# Altium PCB Zenit Stand PCB_3.PcbDoc (part 1 of 2)
Units mm, origin at the board's own origin, x right, y up, seen from the top; angles counter-clockwise.
Board outline 134.2 x 91.97 mm, 2 copper layers (Top Layer, Bottom Layer); 137 components, 111 nets, 457 pads, 78 vias.
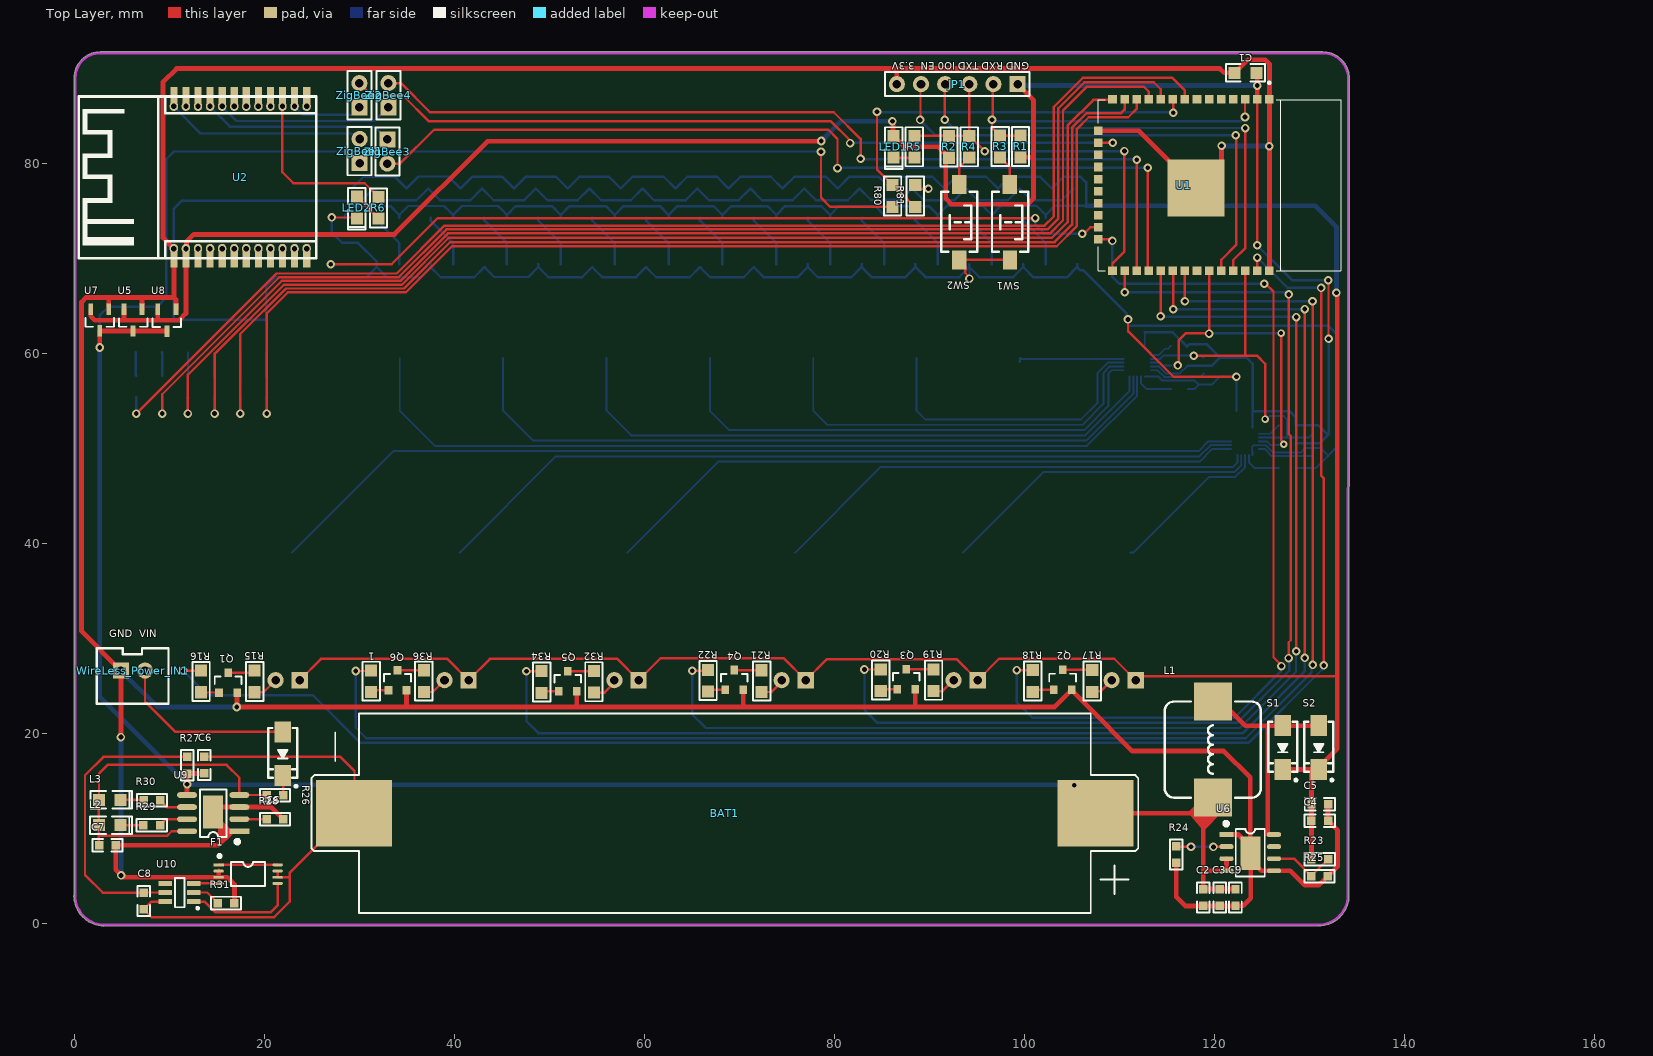
[diagram p0: Top Layer view]
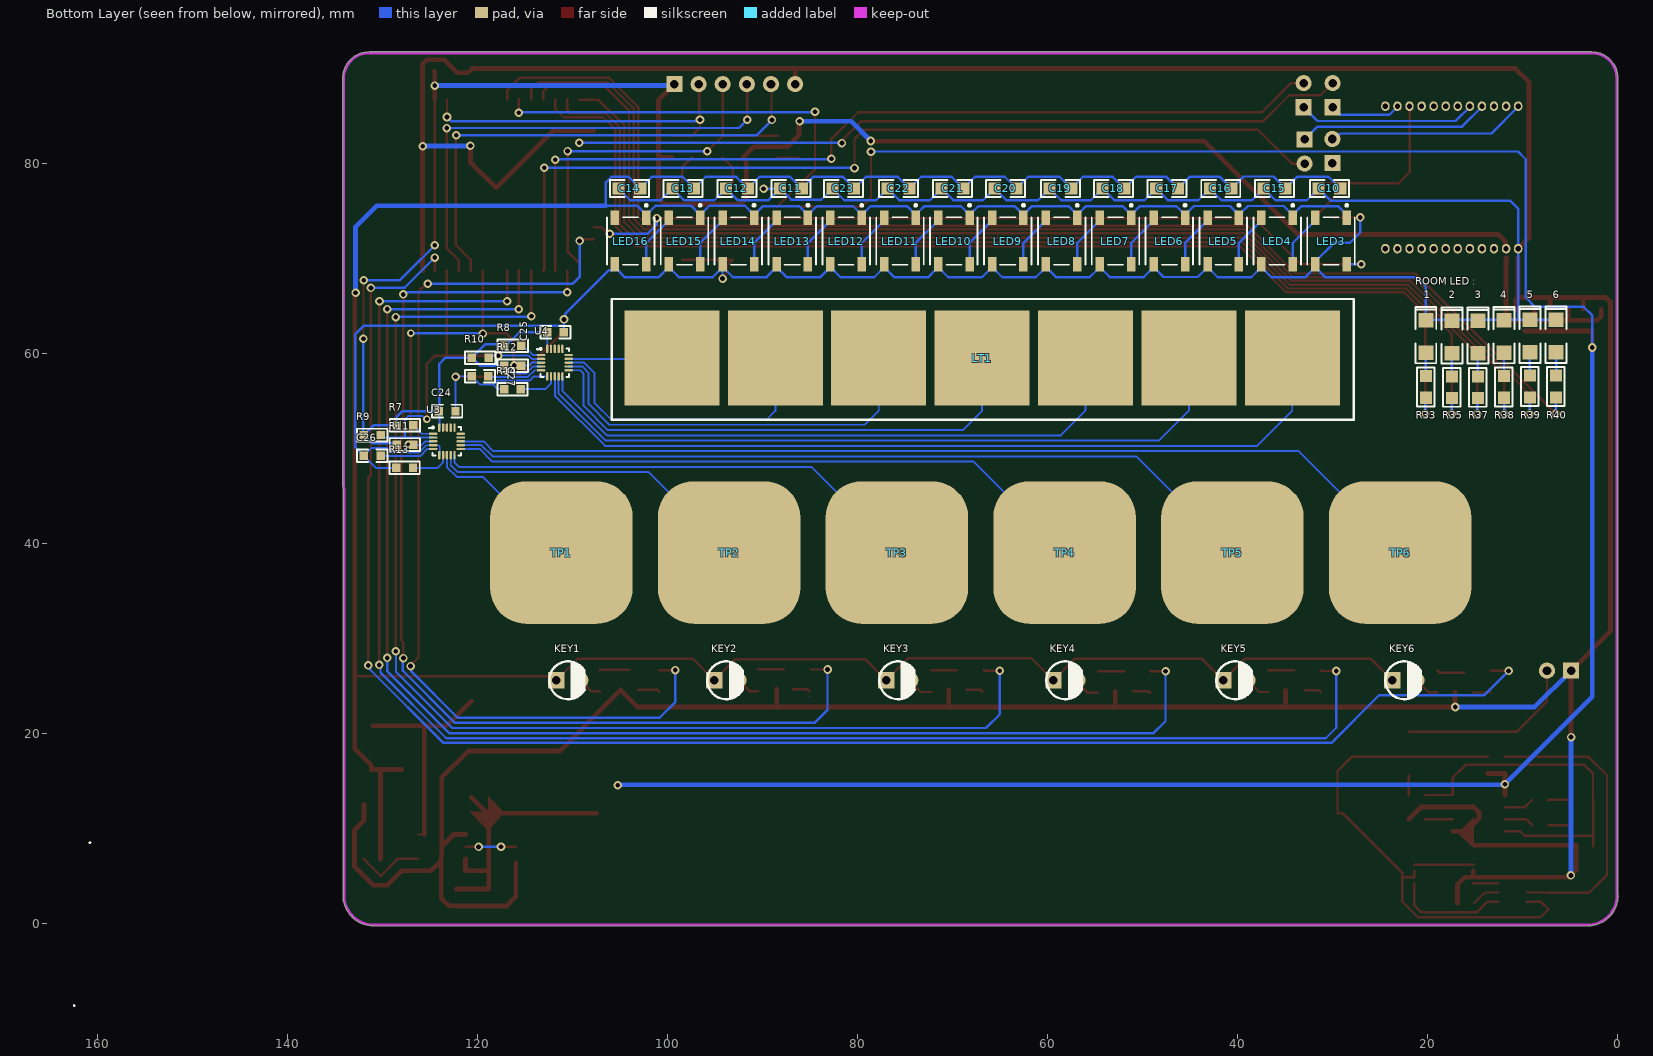
[diagram p1: Bottom Layer view, seen from below]

## Layer stack, top to bottom
Top Solder: solder mask 0.0102, Solder Resist, Dk 3.5
Top Layer: signal copper 0.0356
Dielectric 1: dielectric 0.32, FR-4, Dk 4.8
Bottom Layer: signal copper 0.0356
Bottom Solder: solder mask 0.0102, Solder Resist, Dk 3.5

## Board outline
-0.032,2.971 cw(c0.095,2.972) -0.012,3.041 0,89.018 cw(c0.121,89.059) -0.007,89.06 cw(c2.708,89.036) 2.731,91.752 cw(c2.7,88.104) 2.732,91.752 2.731,91.752 131.388,91.752 cw(c131.388,88.971) 134.168,88.971 134.119,3.018 cw(c133.998,2.978) 134.125,2.978 cw(c130.946,2.981) 130.943,-0.197 cw(c130.943,-0.07) 130.934,-0.197 cw(c130.924,-0.07) 130.924,-0.197 3.118,-0.218 cw(c3.118,-0.091) 3.07,-0.209 cw(c3.165,2.988)

## Design rules (kind name [scope] priority, off if disabled: settings)
Clearance SHIELD [InNamedPolygon('SHIELD-OUT_L01_P000')] p1: gap=0.508 ignorepadtopadclearanceinfootprint=FALSE
Clearance [All] p2: gap=0.127 ignorepadtopadclearanceinfootprint=FALSE
PolygonConnect PolygonConnect_6 [All vs IsNamedPolygon('NONET_L-01_P-001')] p1: connectstyle=Direct reliefconductorwidth=0.254 reliefentries=4 polygonreliefangle="90 Angle" airgapwidth=0.254
PolygonConnect PolygonConnect_5 [All vs IsNamedPolygon('NONET_L-01_P-001')] p2: connectstyle=Direct reliefconductorwidth=0.254 reliefentries=4 polygonreliefangle="90 Angle" airgapwidth=0.254
PolygonConnect PolygonConnect_4 [All vs IsNamedPolygon('GND_L01_P002')] p3: connectstyle=Direct reliefconductorwidth=0.254 reliefentries=4 polygonreliefangle="90 Angle" airgapwidth=0.254
PolygonConnect PolygonConnect_3 [All vs IsNamedPolygon('NONET_L02_P003')] p4: thpad.connectstyle=Direct thpad.reliefconductorwidth=0.254 thpad.reliefentries=4 thpad.polygonreliefangle="90 Angle" thpad.airgapwidth=0.254 smdpad.connectstyle=Direct smdpad.reliefconductorwidth=0.254 smdpad.reliefentries=4 smdpad.polygonreliefangle="90 Angle" smdpad.airgapwidth=0.254 via.connectstyle=Relief via.reliefconductorwidth=0.254 via.reliefentries=4 via.polygonreliefangle="90 Angle" via.airgapwidth=0.254
PolygonConnect PolygonConnect_2 [All vs IsNamedPolygon('NONET_L01_P002')] p5: thpad.connectstyle=Direct thpad.reliefconductorwidth=0.254 thpad.reliefentries=4 thpad.polygonreliefangle="90 Angle" thpad.airgapwidth=0.254 smdpad.connectstyle=Direct smdpad.reliefconductorwidth=0.254 smdpad.reliefentries=4 smdpad.polygonreliefangle="90 Angle" smdpad.airgapwidth=0.254 via.connectstyle=Relief via.reliefconductorwidth=0.254 via.reliefentries=4 via.polygonreliefangle="90 Angle" via.airgapwidth=0.254
PolygonConnect PolygonConnect_1 [All vs IsNamedPolygon('SHIELD-OUT_L01_P000')] p6: thpad.connectstyle=Direct thpad.reliefconductorwidth=0.254 thpad.reliefentries=4 thpad.polygonreliefangle="90 Angle" thpad.airgapwidth=0.254 smdpad.connectstyle=Direct smdpad.reliefconductorwidth=0.254 smdpad.reliefentries=4 smdpad.polygonreliefangle="90 Angle" smdpad.airgapwidth=0.254 via.connectstyle=Relief via.reliefconductorwidth=0.254 via.reliefentries=4 via.polygonreliefangle="90 Angle" via.airgapwidth=0.254
PolygonConnect [All] p7: connectstyle=Relief reliefconductorwidth=0.254 reliefentries=4 polygonreliefangle="90 Angle" airgapwidth=0.254
RoomDefinition WS2812 [InComponentClass('WS2812')] p1 off: confinementstyle=ConfineIn formatcopy=TRUE lockcomponents=FALSE outline 223.025,3.797 253.886,3.797 253.886,80.867 223.025,80.867
RoomDefinition ESP32 [InComponentClass('ESP32')] p2 off: confinementstyle=ConfineIn formatcopy=TRUE lockcomponents=FALSE outline 139.973,51.772 217.875,51.772 217.875,81.109 139.973,81.109
RoomDefinition ZigbeeM0 [InComponentClass('ZigbeeM0')] p3 off: confinementstyle=ConfineIn formatcopy=TRUE lockcomponents=FALSE outline 140.259,1.956 191.059,1.956 191.059,27.356 140.259,27.356
RoomDefinition "Vemos Battry Shield" [InComponentClass('Vemos Battry Shield')] p4 off: confinementstyle=ConfineIn formatcopy=TRUE lockcomponents=FALSE outline 196.367,3.518 221.901,3.518 221.901,36.341 196.367,36.341
RoomDefinition MPR121 [InComponentClass('MPR121')] p5 off: confinementstyle=ConfineIn formatcopy=TRUE lockcomponents=FALSE outline 140.252,28.702 192.361,28.702 192.361,51.492 140.252,51.492
RoomDefinition Main [InComponentClass('Main')] p6 off: confinementstyle=ConfineIn formatcopy=TRUE lockcomponents=FALSE outline 194.678,38.951 221.342,38.951 221.342,49.809 194.678,49.809
RoutingVias [All] p1: holewidth=0.5 width=0.9 viastyle="Through Hole" minholewidth=0.5 minwidth=0.9 maxholewidth=0.5 maxwidth=0.9
SolderMaskExpansion [All] p1: expansion=0.102 istentingtop=FALSE
Width [All] p1: maxlimit=2 minlimit=0.2 preferedwidth=0.254
30 further rules are at their usual default settings.

## Classes and differential pairs
component class WS2812: 1 2 3 4 5 6 C10 C15 C16 C17 C18 C19 C20 C21 C22 C23 C24 C25 C26 C27 KEY1 KEY2 KEY3 KEY4 KEY5 KEY6 LED16
component class ESP32: C1 JP1 LED1 R1 R2 R3 R4 R5 R80 R81 SW1 SW2 U1
component class ZigbeeM0: LED2 R6 U2 ZigBee1 ZigBee2 ZigBee3 ZigBee4
component class "Vemos Battry Shield": BAT1 C2 C3 C4 C5 C6 C7 C8 C9 F1 L1 L2 L3 R23 R24 R25 R26 R27 R28 R29 R30 R31 S1 S2 S3 U5 U6 U7 U8 U9 U10
component class Main: "Power IN" WireLess_Power_IN1
component class MPR121: 1 2 3 4 5 6 C24 C25 C26 C27 KEY1 KEY2 KEY3 KEY4 KEY5 KEY6 LT1 Q1 Q2 Q3 Q4 Q5 Q6 R7 R8 R9 R10 R11 R12 R13 R14 R15 R16 R17 R18 R19 R20 R21 R22 R32 R33 R34 R35 R36 R37 R38 R39 R40 ss TP1 TP2 TP3 TP4 TP5 TP6 U3 U4

## Components (designator, comment, footprint, x,y, rotation, side; value= is the part's Value field where it differs from the comment)
1 "LED-SMD" "LED 1206Y" 20.187,61.817 r90 bottom (schematic designator LED22)
1 "1K" "R 0805" 31.242,25.54 r90 top
2 "LED-SMD" "LED 1206Y" 17.446,61.779 r90 bottom (schematic designator LED23)
3 "LED-SMD" "LED 1206Y" 14.705,61.779 r90 bottom (schematic designator LED25)
4 "LED-SMD" "LED 1206Y" 11.965,61.817 r90 bottom (schematic designator LED26)
5 "LED-SMD" "LED 1206Y" 9.224,61.855 r90 bottom (schematic designator LED27)
6 "LED-SMD" "LED 1206Y" 6.483,61.855 r90 bottom (schematic designator LED28)
BAT1 "Battery 1850" "18650 SINGLE 2" 63.957,10.655 r180 top
C1 "22uF" "C 0805" 123.247,89.554 r180 top
C2 "=Value" "C 0603" 118.802,2.8 r90 top
C3 "=Value" "C 0603" 120.523,2.8 r90 top
C4 "=Value" "C 0603" 131.039,10.852 r180 top
C5 "=Value" "C 0603" 131.051,12.605 r180 top
C6 "=Value" "C 0603" 13.684,16.72 r270 top
C7 "=Value" "C 0603" 3.48,8.274 r180 top
C8 "=Value" "C 0603" 7.295,2.402 r270 top
C9 "=Value" "C 0603" 122.187,2.8 r90 top
C10 "=Value" "C 0805" 30.34,77.387 r180 bottom
C11 "=Value" "C 0805" 87.001,77.387 r180 bottom
C12 "=Value" "C 0805" 92.678,77.387 r180 bottom
C13 "=Value" "C 0805" 98.336,77.387 r180 bottom
C14 "=Value" "C 0805" 104,77.387 r180 bottom
C15 "=Value" "C 0805" 36.106,77.387 r180 bottom
C16 "=Value" "C 0805" 41.77,77.387 r180 bottom
C17 "=Value" "C 0805" 47.415,77.387 r180 bottom
C18 "=Value" "C 0805" 53.061,77.387 r180 bottom
C19 "=Value" "C 0805" 58.642,77.387 r180 bottom
C20 "=Value" "C 0805" 64.414,77.387 r180 bottom
C21 "=Value" "C 0805" 69.996,77.387 r180 bottom
C22 "=Value" "C 0805" 75.673,77.387 r180 bottom
C23 "=Value" "C 0805" 81.483,77.387 r180 bottom
C24 "0.1uF" "C 0603" 123.184,53.969 r0 bottom
C25 "0.1uF" "C 0603" 111.792,62.243 r0 bottom
C26 "0.1uF" "C 0603" 131.045,49.263 r180 bottom
C27 "0.1uF" "C 0603" 119.71,57.633 r180 bottom
F1 "FS8205A" SSOP8_L 18.288,5.242 r0 top
JP1 "HDR-1X6" HDR-1X6 99.257,88.373 r180 top
KEY1 "" "LED 3MM-B" 110.427,25.648 r180 bottom (schematic designator LED18)
KEY2 "" "LED 3MM-B" 93.79,25.648 r180 bottom (schematic designator LED19)
KEY3 "" "LED 3MM-B" 75.698,25.648 r180 bottom (schematic designator LED20)
KEY4 "" "LED 3MM-B" 58.109,25.648 r180 bottom (schematic designator LED21)
KEY5 "" "LED 3MM-B" 40.227,25.648 r180 bottom (schematic designator LED24)
KEY6 "" "LED 3MM-B" 22.447,25.648 r180 bottom (schematic designator LED17)
L1 "?uH" WHC1040 119.805,18.345 r90 top
L2 "LED-SMD" "LED 0805G" 3.727,10.395 r0 top
L3 "LED-SMD" "LED 0805R" 3.74,13.056 r0 top
LED1 "LED-SMD" "LED 0805B" 86.22,81.774 r270 top
LED2 "LED-SMD" "LED 0805B" 29.731,75.387 r270 top
LED3 "LED WS2812" "LED WS2812 (5050)" 30.169,71.862 r270 bottom
LED4 "LED WS2812" "LED WS2812 (5050)" 35.838,71.862 r270 bottom
LED5 "LED WS2812" "LED WS2812 (5050)" 41.507,71.862 r270 bottom
LED6 "LED WS2812" "LED WS2812 (5050)" 47.176,71.862 r270 bottom
LED7 "LED WS2812" "LED WS2812 (5050)" 52.845,71.862 r270 bottom
LED8 "LED WS2812" "LED WS2812 (5050)" 58.515,71.862 r270 bottom
LED9 "LED WS2812" "LED WS2812 (5050)" 64.184,71.862 r270 bottom
LED10 "LED WS2812" "LED WS2812 (5050)" 69.853,71.862 r270 bottom
LED11 "LED WS2812" "LED WS2812 (5050)" 75.522,71.862 r270 bottom
LED12 "LED WS2812" "LED WS2812 (5050)" 81.191,71.862 r270 bottom
LED13 "LED WS2812" "LED WS2812 (5050)" 86.86,71.862 r270 bottom
LED14 "LED WS2812" "LED WS2812 (5050)" 92.53,71.862 r270 bottom
LED15 "LED WS2812" "LED WS2812 (5050)" 98.199,71.862 r270 bottom
LED16 "LED WS2812" "LED WS2812 (5050)" 103.868,71.862 r270 bottom
LT1 "Linear Touch" "Linear TouchPad (7Pad)" 91.266,59.411 r180 top
Q1 "2N7002" SOT23-3 16.18,25.349 r0 top
Q2 "2N7002" SOT23-3 103.994,25.629 r0 top
Q3 "2N7002" SOT23-3 87.541,25.711 r0 top
Q4 "2N7002" SOT23-3 69.431,25.622 r0 top
Q5 "2N7002" SOT23-3 51.924,25.495 r0 top
Q6 "2N7002" SOT23-3 34.011,25.59 r0 top
R1 "10K" "R 0805" 99.568,81.807 r270 top
R2 "10K" "R 0805" 92.043,81.769 r270 top
R3 "1K" "R 0805" 97.422,81.807 r90 top
R4 "1K" "R 0805" 94.17,81.782 r90 top
R5 "1K" "R 0805" 88.398,81.782 r90 top
R6 "1K" "R 0805" 32.01,75.356 r270 top
R7 "=Value" "R 0603" 127.61,52.464 r180 bottom
R8 "=Value" "R 0603" 116.281,60.82 r0 bottom
R9 "=Value" "R 0603" 131.039,51.448 r180 bottom
R10 "=Value" "R 0603" 119.697,59.595 r0 bottom
R11 "=Value" "R 0603" 127.61,50.444 r180 bottom
R12 "=Value" "R 0603" 116.288,58.75 r0 bottom
R13 "75K" "R 0603" 127.654,47.993 r0 bottom
R14 "75K" "R 0603" 116.281,56.28 r180 bottom
R15 "2.2K" "R 0805" 18.974,25.521 r90 top
R16 "1K" "R 0805" 13.341,25.521 r90 top
R17 "2.2K" "R 0805" 107.112,25.559 r90 top
R18 "1K" "R 0805" 100.857,25.559 r90 top
R19 "2.2K" "R 0805" 90.418,25.641 r90 top
R20 "1K" "R 0805" 84.861,25.648 r90 top
R21 "LED1" "R 0805" 72.326,25.552 r90 top
R22 "=Value" "R 0805" 66.688,25.597 r90 top
R23 "72.3K" "R 0603" 131.039,6.82 r180 top
R24 "30K" "R 0603" 115.945,7.309 r90 top
R25 "10K" "R 0603" 131.026,5.036 r180 top
R26 "0.4" "R 0603" 21.095,13.538 r180 top
R27 "100" "R 0603" 11.874,16.681 r270 top
R28 "2K" "R 0603" 21.095,11.011 r180 top
R29 "1K" "R 0603" 8.141,10.395 r180 top
R30 "1K" "R 0603" 8.153,13.017 r180 top
R31 "1K" "R 0603" 15.982,2.199 r0 top
R32 "2.2K" "R 0805" 54.684,25.483 r90 top
R33 "1K" "R 0805" 20.187,56.509 r90 bottom
R34 "1K" "R 0805" 49.181,25.457 r90 top
R35 "1K" "R 0805" 17.452,56.471 r90 bottom
R36 "2.2K" "R 0805" 36.786,25.552 r90 top
R37 "1K" "R 0805" 14.718,56.471 r90 bottom
R38 "1K" "R 0805" 11.984,56.509 r90 bottom
R39 "1K" "R 0805" 9.249,56.547 r90 bottom
R40 "1K" "R 0805" 6.515,56.547 r90 bottom
R80 "10K" "R 0805" 86.1,76.6 r270 top
R81 "1K" "R 0805" 88.487,76.6 r270 top
S1 "SS24" SMA 127.152,18.561 r270 top
S2 "SS24" SMA 130.937,18.561 r270 top
S3 "SS14" SMA 21.927,17.913 r270 top
SW1 "3x6x5" "TSW SMD-3*6*2.5" 98.463,73.819 r270 top
SW2 "3x6x5" "TSW SMD-3*6*2.5" 93.129,73.819 r270 top
TP1 "TouchKey" "Square TouchKey (1.5cm)" 111.157,39.072 r0 top
TP2 "TouchKey" "Square TouchKey (1.5cm)" 93.505,39.072 r0 top
TP3 "TouchKey" "Square TouchKey (1.5cm)" 75.853,39.072 r0 top
TP4 "TouchKey" "Square TouchKey (1.5cm)" 58.202,39.072 r0 top
TP5 "TouchKey" "Square TouchKey (1.5cm)" 40.55,39.072 r0 top
TP6 "TouchKey" "Square TouchKey (1.5cm)" 22.898,39.072 r0 top
U1 "ESP32S" ESP32S 107.721,109.061 r270 top
U2 "ZG-Mxx" XBee 13.538,78.835 r90 top
U3 "MPR121" QFN-20Pin 123.196,50.781 r180 bottom
U4 "MPR121" QFN-20Pin 111.845,59.061 r180 bottom
U5 "XC6206" SOT23-3N 6.185,63.538 r180 top
U6 "FP6298" SOP8_L-EP 123.744,7.506 r0 top
U7 "XC6206" SOT23-3N 2.686,63.544 r180 top
U8 "XC6206" SOT23-3N 9.743,63.519 r180 top
U9 "TP4056" SOP8_M-EP 14.614,11.66 r180 top
U10 "WD01" SOT23-6M 11.086,3.304 r90 top
WireLess_Power_IN1 "HDR-1X2" XH2.54-2P 4.902,26.657 r0 top
ZigBee1 "HDR-1X2" HDR-1X2 30.023,80.054 r90 top
ZigBee2 "HDR-1X2" HDR-1X2 30.004,85.935 r90 top
ZigBee3 "HDR-1X2" HDR-1X2 32.95,82.55 r270 top
ZigBee4 "HDR-1X2" HDR-1X2 33.052,85.935 r90 top

## Footprints (in the part's own frame and the unit in brackets; to place one, negate y for a bottom-side part, rotate by r counter-clockwise, add the part's x,y. Pads: shape width x height; smd on the part's side, far side on the other; paste and mask are expansions set on the pad)
"18650 SINGLE 2" [mm]
  rect 8x7 smd: 1(-43.5,-1) 2(34.5,-1)
  silkscreen extent -48,-11.5 39,9.5, body extent -47.5,-11.35 38.5,9.3, height 15.01
"C 0603" [mil] "ï؟½ق¼ï؟½ï؟½ï؟½ï؟½ï؟½ئ¬ï؟½ï؟½ï؟½ï؟½"
  rect 35x35 smd: 1(-35,0) 2(34,0)
  silkscreen extent -63,-26 62,26, body extent -31,-16 31,16, height 32
"C 0805" [mil] "ï؟½ق¼ï؟½ï؟½ï؟½ï؟½ï؟½ئ¬ï؟½ï؟½ï؟½ï؟½"
  rect 50x50 smd: 1(-45,0) 2(45,0)
  silkscreen extent -81,-36 81,36, body extent -39,-24 39,24, height 20
ESP32S [mm] "ESP32S-Module"
  rect 0.9x0.9 smd: 1(22.301,18.034) 2(22.301,16.764) 3(22.301,15.494) 4(22.301,14.224) 5(22.301,12.954) 6(22.301,11.684) 7(22.301,10.414) 8(22.301,9.144) 9(22.301,7.874) 10(22.301,6.604) 11(22.301,5.334) 12(22.301,4.064) 13(22.301,2.794) 14(22.301,1.524) 15(25.601,0.034) 16(26.871,0.034) 17(28.141,0.034) 18(29.411,0.034) 19(30.681,0.034) 20(31.951,0.034) 21(33.221,0.034) 22(34.491,0.034) 23(35.761,0.034) 24(37.031,0.034) 25(40.335,1.524) 26(40.335,2.794) 27(40.335,4.064) 28(40.335,5.334) 29(40.335,6.604) 30(40.335,7.874) 31(40.335,9.144) 32(40.335,10.414) 33(40.335,11.684) 34(40.335,12.954) 35(40.335,14.224) 36(40.335,15.494) 37(40.335,16.764) 38(40.335,18.034)
  rect 6x6 smd: 39(31.601,10.3)
  silkscreen extent 20.44,0.03 40.32,25.53, body extent 22.31,0.02 40.31,25.52, height 2.84
HDR-1X2 [mm] "إإصë£¬2½إ"
  rect 1.7x1.7 hole 0.9: 1(0,0)
  round 1.7 hole 0.9: 2(2.54,0)
  silkscreen extent -1.27,-1.27 3.81,1.27, body extent -1.27,-1.27 3.81,1.27, height 8.5
HDR-1X6 [mm] "ï؟½ï؟½ï؟½ë£¬6ï؟½ï؟½"
  rect 1.7x1.7 hole 0.9: 1(0,0)
  round 1.7 hole 0.9: 2(2.54,0) 3(5.08,0) 4(7.62,0) 5(10.16,0) 6(12.7,0)
  silkscreen extent -1.27,-1.27 13.97,1.27, body extent -1.27,-1.27 13.97,1.27, height 8.5
"LED 3MM-B" [mm] "ï؟½ï؟½ة«3mmض±ï؟½ï؟½LED"
  rect 1.7x1.7 hole 0.9: 1(-1.27,0)
  round 1.7 hole 0.9: 2(1.27,0)
  silkscreen extent -2.01,-2 1.72,1.98, body extent -1.95,-1.95 1.64,1.95, height 5.55
"LED 0805B" [mil] "ï؟½ï؟½ة«0805LED"
  rect 50x50 smd: 1(-45,0) 2(45,0)
  silkscreen extent -81,-36 92,36, body extent -39,-25 39,25, height 32
"LED 0805G" [mil] "ï؟½ï؟½ة«0805LED"
  rect 50x50 smd: 1(-45,0) 2(45,0)
  silkscreen extent -81,-36 92,36, body extent -39,-25 39,25, height 32
"LED 0805R" [mil] "ï؟½ï؟½ة«0805LED"
  rect 50x50 smd: 1(-45,0) 2(45,0)
  silkscreen extent -81,-36 92,36, body extent -39,-25 39,25, height 32
"LED 1206Y" [mil] "ï؟½ï؟½ة«1206LED"
  rect 60x62.99 smd: 1(-67.5,0) 2(67.5,0)
  silkscreen extent -111,-43 122,43, body extent -63,-32 63,32, height 40
"LED WS2812 (5050)" [mm]
  rect 1.5x0.9 smd: 1(-2.45,1.65) 2(-2.45,-1.65) 3(2.45,-1.65) 4(2.45,1.65)
  silkscreen extent -3.87,-2.5 2.5,2.5, body extent -2.7,-2.5 2.7,2.5, height 1.69
"Linear TouchPad (7Pad)" [mm]
  rect 10x10 smd far side: 1(-8.255,-0.127) 2(2.625,-0.127) 3(13.504,-0.127) 4(24.384,-0.127) 5(35.264,-0.127) 6(46.143,-0.127) 7(57.023,-0.127)
QFN-20Pin [mm]
  oval 0.9x0.25 smd: 1(-1.45,0.8) 2(-1.45,0.4) 3(-1.45,0) 4(-1.45,-0.4) 5(-1.45,-0.8) 11(1.45,-0.8) 12(1.45,-0.4) 13(1.45,0) 14(1.45,0.4) 15(1.45,0.8)
  oval 0.25x0.9 smd: 6(-0.8,-1.45) 7(-0.4,-1.45) 8(0,-1.45) 9(0.4,-1.45) 10(0.8,-1.45) 16(0.8,1.45) 17(0.4,1.45) 18(0,1.45) 19(-0.4,1.45) 20(-0.8,1.45)
  silkscreen extent -1.9,-1.5 1.5,1.52, body extent -1.55,-1.5 1.45,1.5, height 0.62
"R 0603" [mil] "1/10Wï؟½ï؟½ئ¬ï؟½ï؟½ï؟½ï؟½"
  rect 35x35 smd: 1(-35,0) 2(34,0)
  silkscreen extent -63,-26 62,26, body extent -31,-16 31,16, height 16
"R 0805" [mm] "1/8Wï؟½ï؟½ئ¬ï؟½ï؟½ï؟½ï؟½"
  rect 1.27x1.27 smd: 1(-1.143,0) 2(1.143,0)
  silkscreen extent -2.05,-0.91 2.05,0.91, body extent -1,-0.62 1,0.63, height 0.5
SMA [mm] "4.5x2.6*2.2mm£¨³¤؟ي¸ك£¬²»°üہ¨ز‎½إ£©"
  rect 2.2x1.75 smd: 1(-2.3,0) 2(2.3,0)
  silkscreen extent -2.7,-1.52 3.56,1.52, body extent -2.53,-1.3 2.58,1.3, height 2.15
SOP8_L-EP [mm] "5*6*1.8mm£¨³¤؟ي¸ك£©"
  rect 1.5x0.5 smd: 1(-2.5,1.905)
  oval 1.5x0.5 smd: 2(-2.5,0.635) 3(-2.5,-0.635) 4(-2.5,-1.905) 5(2.5,-1.905) 6(2.5,-0.635) 7(2.5,0.635) 8(2.5,1.905)
  rect 2.1x3.5 smd: 9(0,-0.076)
  silkscreen extent -2.69,-2.5 1.52,3.2, body extent -3,-2.5 3,2.5, height 1.9
SOP8_M-EP [mm] "5*6*1.8mm£¨³¤؟ي¸ك£©"
  rect 2.1x0.6 smd: 1(-2.75,1.905)
  oval 2.1x0.6 smd: 2(-2.75,0.635) 3(-2.75,-0.635) 4(-2.75,-1.905) 5(2.75,-1.905) 6(2.75,-0.635) 7(2.75,0.635) 8(2.75,1.905)
  rect 2.1x3.5 smd: 9(0.01,-0.113)
  silkscreen extent -2.69,-2.5 1.4,3.15, body extent -3,-2.5 3,2.5, height 1.9
SOT23-3 [mm]
  rect 0.8x0.9 smd: 1(-0.95,-1) 2(0.95,-1) 3(0,1.1)
  silkscreen extent -1.4,-0.1 1.4,0.7, body extent -1.46,-1.4 1.46,1.4, height 1.24
SOT23-3N [mm] "3x1.3x1mm(ï؟½ï؟½ï؟½ï؟½ï؟½)"
  rect 0.5x1.2 smd: 1(-0.95,-1.143) 2(0.95,-1.143) 3(0,1.143)
  silkscreen extent -1.5,-0.2 1.5,0.7, body extent -1.5,-1.2 1.5,1.2, height 1.05
SOT23-6M [mm] "3x1.6x1.1mm(ï؟½ï؟½ï؟½ï؟½ï؟½)"
  rect 0.55x1.4 smd: 1(-0.95,-1.5) 2(0,-1.5) 3(0.95,-1.5) 4(0.95,1.5) 5(0,1.5) 6(-0.95,1.5)
  silkscreen extent -1.78,-2.03 1.55,0.51, body extent -1.5,-1.4 1.5,1.4, height 1.15
"Square TouchKey (1.5cm)" [mm]
  rrect50% 15x15 smd far side: 1(0,0)
SSOP8_L [mm] "3*6.4*1.2mm£¨³¤؟ي¸ك£©"
  rect 1.1x0.3 smd: 1(-3.1,0.975)
  oval 1.1x0.3 smd: 2(-3.1,0.325) 3(-3.1,-0.325) 4(-3.1,-0.975) 5(3.1,-0.975) 6(3.1,-0.325) 7(3.1,0.325) 8(3.1,0.975)
  silkscreen extent -3.13,-1.27 1.78,2.03, body extent -3.2,-1.75 3.2,1.75, height 1.25
"TSW SMD-3*6*2.5" [mm] "3*6*2.5mm"
  rect 2x1.5 smd: 1(-3.996,-0.02) 2(3.937,0)
  silkscreen extent -3.21,-1.9 3.09,1.9, body extent -4,-1.88 4,1.62, height 2.59
WHC1040 [mm] "10*10*4mm£¨³¤؟ي¸ك£©"
  rect 4x4 smd: 1(-5.057,0) 2(5.057,0)
  silkscreen extent -5.06,-5.06 5.06,5.06, body extent -5,-5.06 5,4.94, height 4.2
XBee [mil]
  rect 80x30 smd: A1(-344.93,120.37) A2(-344.93,70.37) A3(-344.93,20.37) A4(-344.93,-29.63) A5(-344.93,-79.63) A6(-344.93,-129.63) A7(-344.93,-179.63) A8(-344.93,-229.63) A9(-344.93,-279.63) A10(-344.93,-329.63) A11(-344.93,-379.63) A12(-344.93,-429.63) B1(324.36,120.37) B2(324.36,70.37) B3(324.36,20.37) B4(324.36,-29.63) B5(324.36,-79.63) B6(324.36,-129.63) B7(324.36,-179.63) B8(324.36,-229.63) B9(324.36,-279.63) B10(324.36,-329.63) B11(324.36,-379.63) B12(324.36,-429.63)
  oval 40x35 hole 22: A1(-306.32,120.54) A2(-306.32,70.54) A3(-306.32,20.54) A4(-306.32,-29.46) A5(-306.32,-79.46) A6(-306.32,-129.46) A7(-306.32,-179.46) A8(-306.32,-229.46) A9(-306.32,-279.46) A10(-306.32,-329.46) A11(-306.32,-379.46) A12(-306.32,-429.46) B1(284.04,120.54) B2(284.04,70.54) B3(284.04,20.54) B4(284.04,-29.46) B5(284.04,-79.46) B6(284.04,-129.46) B7(284.04,-179.46) B8(284.04,-229.46) B9(284.04,-279.46) B10(284.04,-329.46) B11(284.04,-379.46) B12(284.04,-429.46)
  silkscreen extent -346,-469 324,515, body extent -326,-458 304,486, height 98
XH2.54-2P [mm] "½س²ه¼‏£¬2P"
  rect 1.7x1.7 hole 0.9: 1(0,0)
  round 1.7 hole 0.9: 2(2.54,0)
  silkscreen extent -2.54,-3.51 5.01,2.37, body extent -2.5,-3.3 5.04,2.4, height 7.05

## Part data
1 2 3 4 5 6 L2 L3 LED1 LED2: "Patch LED", BOM名称=贴片LED, 学习资源=www.ooocke.com, 版权归属=源创客
1 R1 R2 R3 R4 R5 R6 R7 R8 R9 R10 R11 R12 R13 R14 R15 R16 R17 R18 R19 R20 R21 R22 R23 R24 R25 R26 R27 R28 R29 R30 R31 R32 R33 R34 R35 R36 R37 R38 R39 R40 R80 R81: library part R, "Chip resistor", BOM名称="Chip resistor", 学习资源=www.ooocke.com, 版权归属=源创客
C1 C2 C3 C4 C5 C6 C7 C8 C9 C10 C11 C12 C13 C14 C15 C16 C17 C18 C19 C20 C21 C22 C23 C24 C25 C26 C27: library part C, "Non-polar patch capacitor", BOM名称=无极性贴片电容, 学习资源=www.ooocke.com, 版权归属=源创客
F1: "Dual N-Channel Enhancement Mode Power MOSFET"
JP1: library part "Header 6", "6P Connector", BOM名称=6P接插件, 学习资源=www.ooocke.com, 版权归属=源创客
KEY1 KEY2 KEY3 KEY4 KEY5 KEY6: library part LED-3MM, "Plug-in LED", BOM名称=插件LED, 学习资源=www.ooocke.com, 版权归属=源创客
L1: library part L-WHC, "One-piece high current inductor"
Q1 Q2 Q3 Q4 Q5 Q6: "N-Channel 60V 115mA (Tc) 225mW (Ta) Surface Mount SOT-23-3 (TO-236)", Package="SOT-23-3 Vishay", Availability=Good, Check_prices=https://www.snapeda.com/parts/2N7002/STMicroelectronics/view-part/2885412/?ref=eda, MF=STMicroelectronics, MP=2N7002, Price=None, Purchase-URL=https://pricing.snapeda.com/search/part/2N7002/?ref=eda, SnapEDA_Link=https://www.snapeda.com/parts/2N7002/STMicroelectronics/view-part/2885412/?ref=snap
S1 S2 S3: "Schottky diodes", BOM名称=肖特基二极管, 学习资源=www.ooocke.com, 版权归属=源创客
  S1 S2: 属性=40V/2A
  S3: 属性=40V/1A
SW1 SW2: library part "TSW 3x6", "3x6 tact switch", BOM名称=3x6轻触开关, 学习资源=www.ooocke.com, 版权归属=源创客
U1: Package="Module Espressif Systems", Availability=Unavailable, MF="Espressif Systems", MP=ESP32-WROOM-32D, Price=None, SnapEDA_Link=https://www.snapeda.com/parts/ESP32-WROOM-32D/Espressif%20Systems/view-part/?ref=snap
U2: library part XBee
U5 U7 U8: "Power"
U6: "FP6298 Low-Noise 4.5A Step-Up Current Mode PWM"
U9: "Lithium battery charge management", BOM名称=锂电池充电管理, 学习资源=www.ooocke.com, 版权归属=源创客
U10: "Lithium battery overcurrent protection IC", BOM名称=过流保护IC, 学习资源=www.ooocke.com, 版权归属=源创客
WireLess_Power_IN1 ZigBee1 ZigBee2 ZigBee3 ZigBee4: library part "Header 2", "2P Connector", BOM名称=2P接插件, 学习资源=www.ooocke.com, 版权归属=源创客

## Via types
v1: diameter 0.9, hole 0.5, Top Layer to Bottom Layer, tented both sides, 75 vias
v2: diameter 0.8, hole 0.4, Top Layer to Bottom Layer, tented both sides, 3 vias

## Nets (pads, with @x,y where several pads share a name; then routed paths per layer and width w, separated by ;. In a path a pad name is that pad's centre, name@x,y a point inside that pad or via, vN(x,y) a via of type N, cw(c..) or ccw(c..) an arc to the next point about the centre after c; other vN are vias at no path point)
ADC1_CH5: R80.1 R81.2 U1.9 | length 44.3
  Top Layer w0.254: v1(84.468,85.458) 84.468,79.375 R80.1@86.1,77.743 86.608,77.235 86.709,77.235 R81.2@88.487,75.457 ; U1.9@115.595,86.76 115.627,86.728 v1(115.627,85.369)
  Bottom Layer w0.254: v1(84.468,85.458) 84.512,85.414 115.583,85.414 v1(115.627,85.369)
DIN: LED3.4 U1.23 | length 85.7
  Top Layer w0.254: v1(26.994,69.418) 33.395,69.418 38.252,74.276 v1(101.117,74.276) ; v1(106.07,72.638) 106.245,72.638 106.908,73.3 U1.23@107.755,73.3
  Bottom Layer w0.254: v1(26.994,69.418) 28.513,69.418 LED3.4@28.519,69.412 ; v1(101.117,74.276) 101.117,73.59 102.07,72.638 v1(106.07,72.638)
EN: JP1.2 R1.1 R3.2 U1.3 | length 36.7
  Top Layer w0.254: JP1.2@96.717,88.373 96.641,88.297 96.641,84.696 v1(96.564,84.62) 96.564,83.807 R3.2@97.422,82.95 R1.1@99.568,82.95 ; v1(123.19,84.909) 123.19,86.713 U1.3@123.228,86.751
  Bottom Layer w0.254: v1(96.564,84.62) 96.688,84.496 97.02,84.496 97.036,84.48 122.761,84.48 v1(123.19,84.909)
GND: 1.2@20.187,63.532 2.2 3.2 4.2 5.2 6.2 C1.2 C2.1 C3.1 C4.1 C5.1 C7.1 C9.1 C10.1 C11.1 C12.1 C13.1 C14.1 C15.1 C16.1 C17.1 C18.1 C19.1 C20.1 C21.1 C22.1 C23.1 C24.1 C25.1 C26.1 C27.1 F1.2 F1.3 JP1.6 LED2.2 LED3.3 LED4.3 LED5.3 LED6.3 LED7.3 LED8.3 LED9.3 LED10.3 LED11.3 LED12.3 LED13.3 LED14.3 LED15.3 LED16.3 Q1.2 Q2.2 Q3.2 Q4.2 Q5.2 Q6.2 R13.2 R14.1 R24.1 R25.1 R28.1 R31.2 R81.1 SW1.2 SW2.2 U1.1 U1.15 U1.38 U1.39 U2.A1 U3.4 U3.6 U4.6 U5.1 U6.1 U6.5 U6.9 U7.1 U8.1 U9.1 U9.3 U9.9 WireLess_Power_IN1.1 | length 834.7
  Top Layer w0.254: v1(27.095,74.339) 29.635,74.339 LED2.2@29.731,74.244 ; R81.1@88.487,77.743 88.862,77.368 v1(89.878,77.368) ; v1(94.196,67.907) 94.196,68.082 93.752,68.526 93.752,69.259 SW2.2@93.129,69.882 SW1.2@98.463,69.882 ; v1(110.877,63.608) 110.877,62.376 115.678,57.575 v1(122.282,57.575)
  Top Layer w0.5: U7.1@3.636,64.687 3.636,65.907 ; C7.1@4.369,8.274 15.159,8.274 16.441,9.556 16.441,9.582 U9.1@16.614,9.755 ; C7.1@4.375,8.256 4.375,5.715 v1@4.953,5.137 ; v1(4.902,19.66) WireLess_Power_IN1.1@4.902,26.657 0.762,30.797 0.762,65.443 1.226,65.907 3.636,65.907 ; v1@5.173,4.917 F1.3@15.188,4.917 ; U5.1@7.135,64.681 7.135,65.907 ; U2.A1@10.477,71.055 9.347,72.184 9.347,88.595 10.757,90.005 86.557,90.005 ; U2.A1@10.481,70.074 10.481,65.907 ; U8.1@10.693,64.662 10.693,65.694 10.481,65.907 ; F1.2@15.188,5.567 F1.3@15.188,4.917 ; R31.2@16.845,2.199 16.845,4.161 16.09,4.917 F1.3@15.188,4.917 ; v1(17.107,22.828) v1@17.13,22.828 ; Q1.2@17.13,24.349 v1@17.13,22.828 ; U9.1@17.364,9.755 U9.1@16.614,9.755 ; R28.1@21.984,11.011 20.7,12.295 U9.3@17.364,12.295 15.126,12.295 U9.9@14.604,11.773 14.604,11.073 15.922,9.755 U9.1@16.614,9.755 ; Q6.2@34.961,24.59 34.961,22.828 ; Q5.2@52.874,24.495 52.874,22.828 ; Q4.2@70.381,24.622 70.381,22.828 ; JP1.6@86.557,88.373 86.557,90.005 ; 87.186,22.828 70.381,22.828 ; 87.236,22.828 103.144,22.828 104.744,24.429 104.794,24.429 Q2.2@104.944,24.579 ; 88.491,22.878 Q3.2@88.491,24.711 ; Q2.2@104.944,24.629 Q2.2@104.944,24.579 ; U1.15@107.755,83.46 112.021,83.46 U1.39@118.021,77.46 120.726,80.165 v1(120.726,81.883) ; R24.1@115.945,6.42 115.945,2.845 116.891,1.899 C9.1@122.313,1.899 ; U6.1@121.244,9.411 122.463,9.411 U6.9@123.744,8.13 ; C9.1@122.187,1.911 123.006,1.911 123.8,2.705 U6.9@123.8,6.674 ; U1.38@125.755,68.726 U1.1@125.755,86.76 125.755,90.5 125.33,90.926 123.476,90.926 C1.2@122.104,89.554 121.006,89.554 120.555,90.005 86.557,90.005 ; C5.1@131.94,12.605 131.928,12.592 C4.1@131.928,10.852 132.931,9.849 132.931,6.052 R25.1@131.915,5.036 130.943,4.064 129.476,4.064 127.94,5.601 U6.5@126.244,5.601 124.89,5.601 124.561,5.929 124.544,5.929 U6.9@123.8,6.674 ; 3.636,65.907 7.135,65.907 ; 7.135,65.907 10.481,65.907 ; v1@17.13,22.828 34.961,22.828 ; 34.961,22.828 52.874,22.828 ; 52.874,22.828 70.381,22.828 ; Q2.2@104.944,24.579 106.637,22.885 111.33,18.193 120.961,18.193 123.744,15.41 U6.9@123.744,8.13 ; U6.9@123.744,8.13 U6.9@123.744,7.429 123.8,7.374 U6.9@123.8,6.674
  Bottom Layer w0.2: U4.6@112.645,57.611 114.048,57.611 114.478,57.182 117.881,57.182 118.32,56.744 ; R14.1@117.17,56.28 117.856,56.28 118.32,56.744 ; v1(122.282,57.575) 122.225,57.633 C27.1@120.599,57.633 119.71,56.744 118.32,56.744 ; C24.1@122.295,53.969 v1@122.295,57.563 ; U3.6@123.996,49.331 123.996,49.669 123.948,49.717 123.948,50.206 124.114,50.371 124.637,50.371 U3.4@124.646,50.381 124.656,50.371 125.397,50.371 126.174,49.593 129.045,49.593 129.546,50.095 131.102,50.095 C26.1@131.934,49.263 130.664,47.993 R13.2@128.518,47.993
  Bottom Layer w0.254: 6.2@6.483,63.57 5.2@9.262,63.57 ; 5.2@9.224,63.57 10.477,63.57 ; v1(27.095,74.339) 27.095,72.765 28.2,71.66 29.871,71.66 31.819,69.712 LED3.3@31.819,69.112 ; LED4.3@37.488,69.412 LED4.3@37.488,69.112 ; LED6.3@48.826,69.412 LED6.3@48.826,69.112 ; LED11.3@77.172,69.412 LED11.3@77.172,69.112 ; LED12.3@82.841,69.412 LED12.3@82.841,69.112 ; LED13.3@88.51,69.412 LED13.3@88.51,69.112 ; v1(89.878,77.368) C11.1@88.163,77.368 ; v1(94.196,67.907) LED14.3@94.196,69.096 ; LED15.3@99.849,69.412 LED15.3@99.849,69.112 ; C14.1@105.143,77.387 103.905,76.149 100.717,76.149 C13.1@99.479,77.387 98.234,76.143 95.066,76.143 C12.1@93.821,77.387 92.602,76.168 89.364,76.168 C11.1@88.163,77.368 ; LED16.3@105.518,69.412 LED16.3@105.518,69.119 ; 110.877,62.954 v1(110.877,63.608) 110.766,63.719 110.766,64.164 106.133,68.796 105.841,68.796 LED16.3@105.518,69.119 ; C25.1@110.903,62.243 110.903,62.954 131.94,62.954 132.832,62.062 132.832,50.161 C26.1@131.934,49.263 ; 10.477,63.57 20.149,63.57 1.2@20.187,63.532 20.187,67.062 21.165,68.04 30.747,68.04 LED3.3@31.819,69.112 ; 10.477,63.57 U2.A1@10.477,71.055 10.477,75.266 11.328,76.117 30.213,76.117 C10.1@31.483,77.387 32.722,76.149 36.011,76.149 C15.1@37.249,77.387 38.481,76.156 41.681,76.156 C16.1@42.913,77.387 44.145,76.156 47.327,76.156 C17.1@48.558,77.387 49.797,76.149 52.965,76.149 C18.1@54.204,77.387 55.442,76.149 58.547,76.149 C19.1@59.785,77.387 61.017,76.156 64.325,76.156 C20.1@65.557,77.387 66.789,76.156 69.907,76.156 C21.1@71.139,77.387 72.371,76.156 75.584,76.156 C22.1@76.816,77.387 78.048,76.156 81.394,76.156 C23.1@82.626,77.387 83.814,76.2 86.957,76.2 C11.1@88.144,77.387 C11.1@88.163,77.368 ; LED3.3@31.819,69.112 32.903,68.028 36.404,68.028 LED4.3@37.488,69.112 ; LED4.3@37.488,69.112 38.553,68.047 42.092,68.047 43.157,69.112 43.48,68.789 44.191,68.078 47.793,68.078 LED6.3@48.826,69.112 ; LED6.3@48.826,69.112 49.892,68.047 53.43,68.047 54.495,69.112 54.818,68.789 55.548,68.059 59.112,68.059 60.165,69.112 60.488,68.789 61.23,68.047 64.769,68.047 65.834,69.112 66.157,68.789 66.899,68.047 70.438,68.047 71.503,69.112 71.826,68.789 72.575,68.04 76.101,68.04 LED11.3@77.172,69.112 ; LED11.3@77.172,69.112 78.237,68.047 81.776,68.047 LED12.3@82.841,69.112 ; LED12.3@82.841,69.112 83.888,68.066 87.464,68.066 LED13.3@88.51,69.112 ; LED13.3@88.51,69.112 89.563,68.059 93.127,68.059 94.18,69.112 LED14.3@94.18,69.412 94.196,69.396 LED14.3@94.196,69.096 ; LED14.3@94.196,69.096 95.232,68.059 98.796,68.059 LED15.3@99.849,69.112 ; LED15.3@99.849,69.112 100.927,68.034 104.44,68.034 105.518,69.112 LED16.3@105.518,69.119
  Bottom Layer w0.5: v1(4.902,19.66) 4.912,19.65 4.912,5.115 v1(4.921,5.105) ; WireLess_Power_IN1.1@4.902,26.657 8.731,22.828 v1(17.107,22.828) ; v1(120.726,81.883) 120.758,81.852 125.705,81.852 v1(125.736,81.82)
IO0: JP1.3 R2.1 R4.2 R5.2 U1.25 | length 41.3
  Top Layer w0.254: R5.2@88.398,82.925 R2.1@92.031,82.925 ; R2.1@92.043,82.912 94.05,82.912 94.177,83.039 JP1.3@94.177,88.373 ; R4.2@94.171,82.925 95.777,81.318 v1(95.809,81.318) ; U1.25@109.245,68.726 109.245,69.494 110.496,70.745 v1(110.496,81.324)
  Bottom Layer w0.254: v1(95.809,81.318) 95.812,81.321 110.493,81.321 v1(110.496,81.324)
LED1: R18.2 U1.24 | length 98.8
  Top Layer w0.254: v1(99.162,26.708) 100.851,26.708 R18.2@100.857,26.702 ; U1.24@107.755,72.03 108.903,72.03 109.064,71.869 v1(109.239,71.869) ; v1(125.209,67.354) 125.366,67.354 126.187,66.533 126.187,28.056 127.025,27.218 v1(127.025,27.134)
  Bottom Layer w0.254: v1(99.162,26.708) 99.162,23.349 100.819,21.692 122.079,21.692 126.939,26.552 126.939,27.048 v1(127.025,27.134) ; v1(109.239,71.869) 109.239,68.091 109.976,67.354 v1(125.209,67.354)